# KiCad board xiao-rp2040-uno.kicad_pcb
date: mar. 31 mars 2015
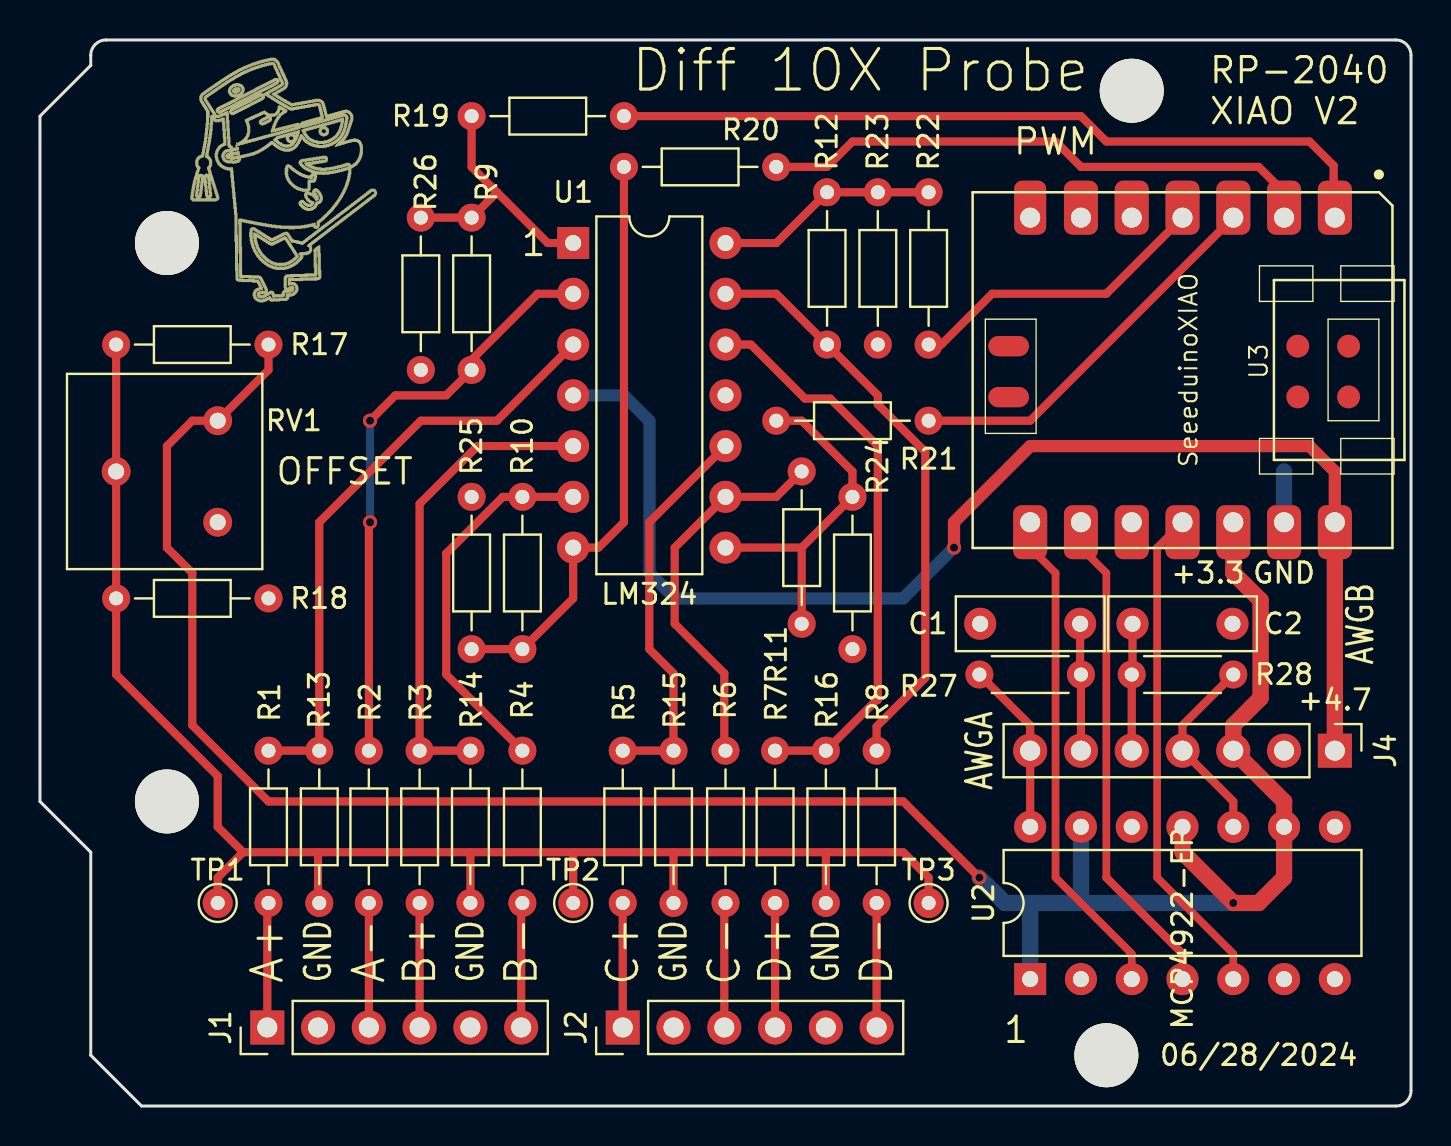
[diagram p0: board, top side]
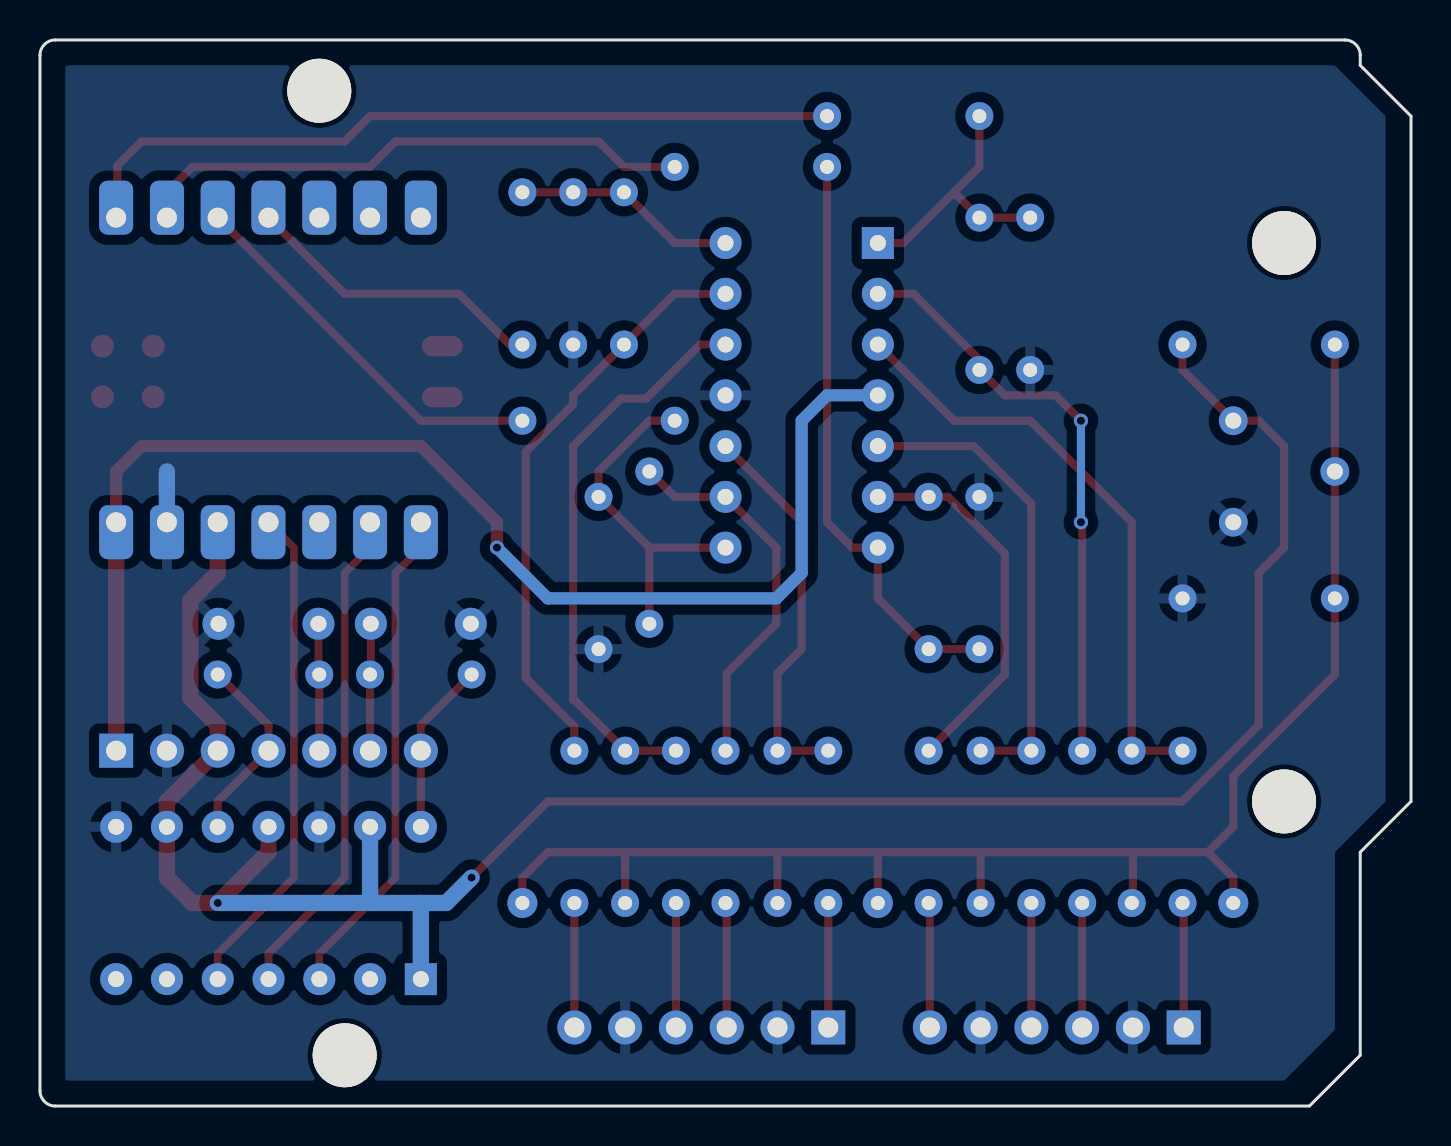
[diagram p1: board, bottom side, seen from below]

Outline 68.58 x 53.34 mm; copper layers: Top, Bottom. Coordinates in mm from the lower left corner of the outline.
Outline path: 0,49.53 2.54,52.07 2.54,52.58 arc(2.76,53.12) 3.3,53.34 67.82,53.34 arc(68.36,53.12) 68.58,52.58 68.58,0.76 arc(68.36,0.22) 67.82,0 5.08,0 2.54,2.54 2.54,12.7 0,15.24 0,49.53
Stack: Top 0.035mm / dielectric 1.51mm FR4 er 4.5 / Bottom 0.035mm

## Placement (name value [footprint] x y rotation side)
C1  C  [C_Rect_L7.2mm_W2.5mm_P5.00mm_FKS2_FKP2_MKS2_MKP2]  52.03 24.13 180 top
C2  C  [C_Rect_L7.2mm_W2.5mm_P5.00mm_FKS2_FKP2_MKS2_MKP2]  54.65 24.13 0 top
J1  Conn_01x06_Pin  [PinHeader_1x06_P2.54mm_Vertical]  11.37 3.93 90 top
J2  Conn_01x06_Pin  [PinHeader_1x06_P2.54mm_Vertical]  29.15 3.93 90 top
J4  Conn_01x07_Pin  [PinHeader_1x07_P2.54mm_Vertical]  64.77 17.78 270 top
MH1  -  [MountingHole_3.2mm]  53.34 2.54 180 top
MH2  -  [MountingHole_3.2mm]  54.61 50.8 180 top
MH3  -  [MountingHole_3.2mm]  6.35 15.24 180 top
MH4  -  [MountingHole_3.2mm]  6.35 43.18 180 top
NOREF  -  [Proffessor]  11.93 38.22 0 top
R1  1Meg  [R_Axial_DIN0204_L3.6mm_D1.6mm_P7.62mm_Horizontal]  11.43 17.78 270 top
R2  1Meg  [R_Axial_DIN0204_L3.6mm_D1.6mm_P7.62mm_Horizontal]  16.45 17.78 270 top
R3  1Meg  [R_Axial_DIN0204_L3.6mm_D1.6mm_P7.62mm_Horizontal]  18.99 17.78 270 top
R4  1Meg  [R_Axial_DIN0204_L3.6mm_D1.6mm_P7.62mm_Horizontal]  24.13 17.78 270 top
R5  1Meg  [R_Axial_DIN0204_L3.6mm_D1.6mm_P7.62mm_Horizontal]  29.15 17.78 270 top
R6  1Meg  [R_Axial_DIN0204_L3.6mm_D1.6mm_P7.62mm_Horizontal]  34.29 17.78 270 top
R7  1Meg  [R_Axial_DIN0204_L3.6mm_D1.6mm_P7.62mm_Horizontal]  36.77 17.78 270 top
R8  1Meg  [R_Axial_DIN0204_L3.6mm_D1.6mm_P7.62mm_Horizontal]  41.85 17.78 270 top
R9  100k  [R_Axial_DIN0204_L3.6mm_D1.6mm_P7.62mm_Horizontal]  21.59 44.45 270 top
R10  100k  [R_Axial_DIN0204_L3.6mm_D1.6mm_P7.62mm_Horizontal]  24.13 22.86 90 top
R11  100k  [R_Axial_DIN0204_L3.6mm_D1.6mm_P7.62mm_Horizontal]  38.1 24.13 90 top
R12  100k  [R_Axial_DIN0204_L3.6mm_D1.6mm_P7.62mm_Horizontal]  39.37 45.72 270 top
R13  100k  [R_Axial_DIN0204_L3.6mm_D1.6mm_P7.62mm_Horizontal]  13.97 10.16 90 top
R14  100k  [R_Axial_DIN0204_L3.6mm_D1.6mm_P7.62mm_Horizontal]  21.53 10.16 90 top
R15  100k  [R_Axial_DIN0204_L3.6mm_D1.6mm_P7.62mm_Horizontal]  31.69 10.16 90 top
R16  100k  [R_Axial_DIN0204_L3.6mm_D1.6mm_P7.62mm_Horizontal]  39.31 10.16 90 top
R17  100  [R_Axial_DIN0204_L3.6mm_D1.6mm_P7.62mm_Horizontal]  11.43 38.1 180 top
R18  100  [R_Axial_DIN0204_L3.6mm_D1.6mm_P7.62mm_Horizontal]  3.81 25.4 0 top
R19  220  [R_Axial_DIN0204_L3.6mm_D1.6mm_P7.62mm_Horizontal]  29.21 49.53 180 top
R20  220  [R_Axial_DIN0204_L3.6mm_D1.6mm_P7.62mm_Horizontal]  36.83 46.99 180 top
R21  220  [R_Axial_DIN0204_L3.6mm_D1.6mm_P7.62mm_Horizontal]  44.45 34.29 180 top
R22  220  [R_Axial_DIN0204_L3.6mm_D1.6mm_P7.62mm_Horizontal]  44.45 38.1 90 top
R23  510  [R_Axial_DIN0204_L3.6mm_D1.6mm_P7.62mm_Horizontal]  41.91 45.72 270 top
R24  510  [R_Axial_DIN0204_L3.6mm_D1.6mm_P7.62mm_Horizontal]  40.64 30.48 270 top
R25  510  [R_Axial_DIN0204_L3.6mm_D1.6mm_P7.62mm_Horizontal]  21.59 22.86 90 top
R26  510  [R_Axial_DIN0204_L3.6mm_D1.6mm_P7.62mm_Horizontal]  19.05 44.45 270 top
R27  1k  [R_Axial_DIN0204_L3.6mm_D1.6mm_P5.08mm_Horizontal]  52.07 21.59 180 top
R28  1k  [R_Axial_DIN0204_L3.6mm_D1.6mm_P5.08mm_Horizontal]  54.61 21.59 0 top
RV1  500  [Potentiometer_Bourns_3386F_Vertical]  8.89 34.29 180 top
TP1  TestPoint  [TestPoint_THTPad_D1.5mm_Drill0.7mm]  8.89 10.16 0 top
TP2  TestPoint  [TestPoint_THTPad_D1.5mm_Drill0.7mm]  26.67 10.16 0 top
TP3  TestPoint  [TestPoint_THTPad_D1.5mm_Drill0.7mm]  44.45 10.16 0 top
U1  LM324  [DIP-14_W7.62mm]  26.67 43.18 0 top
U2  MCP4922-EP  [DIP-14_W7.62mm]  49.53 6.35 90 top
U3  SeeeduinoXIAO  [XIAO-MOUDLE14P-SMD-TH]  46.65 45.72 270 top

## Library data of the parts
C1 C2 = -: Description: Unpolarized capacitor
J1 J2 = -: Description: Generic connector, single row, 01x06, script generated
J4 = -: Description: Generic connector, single row, 01x07, script generated
R1-R28 = -: Description: Resistor, US symbol
RV1 = -: Description: Potentiometer, US symbol
TP1-TP3 = -: Description: test point
U1 = -: Description: Low-Power, Quad-Operational Amplifiers, DIP-14/SOIC-14/SSOP-14
U2 = -: Description: Dual 12-bit Digital to Analog Converter, SPI Interface, PDIP-14

## Footprints (pads in the part's own frame, mm; a bottom-side part is the same pattern mirrored in y, then rotated)
C_Rect_L7.2mm_W2.5mm_P5.00mm_FKS2_FKP2_MKS2_MKP2
  round 1.6 hole 0.8: 1(0,0) 2(5,0)
DIP-14_W7.62mm
  rect 1.6x1.6 hole 0.8: 1(0,0)
  oval 1.6x1.6 hole 0.8: 2(0,-2.54) 3(0,-5.08) 4(0,-7.62) 5(0,-10.16) 6(0,-12.7) 7(0,-15.24) 8(7.62,-15.24) 9(7.62,-12.7) 10(7.62,-10.16) 11(7.62,-7.62) 12(7.62,-5.08) 13(7.62,-2.54) 14(7.62,0)
MountingHole_3.2mm
  round 3.2 hole 3.2 unplated: (0,0)
PinHeader_1x06_P2.54mm_Vertical
  rect 1.7x1.7 hole 1: 1(0,0)
  oval 1.7x1.7 hole 1: 2(0,-2.54) 3(0,-5.08) 4(0,-7.62) 5(0,-10.16) 6(0,-12.7)
PinHeader_1x07_P2.54mm_Vertical
  rect 1.7x1.7 hole 1: 1(0,0)
  oval 1.7x1.7 hole 1: 2(0,-2.54) 3(0,-5.08) 4(0,-7.62) 5(0,-10.16) 6(0,-12.7) 7(0,-15.24)
Potentiometer_Bourns_3386F_Vertical
  round 1.44 hole 0.8: 1(0,0) 2(5.08,2.54) 3(0,5.08)
R_Axial_DIN0204_L3.6mm_D1.6mm_P5.08mm_Horizontal
  round 1.4 hole 0.7: 1(0,0)
  oval 1.4x1.4 hole 0.7: 2(5.08,0)
R_Axial_DIN0204_L3.6mm_D1.6mm_P7.62mm_Horizontal
  round 1.4 hole 0.7: 1(0,0)
  oval 1.4x1.4 hole 0.7: 2(7.62,0)
TestPoint_THTPad_D1.5mm_Drill0.7mm
  round 1.5 hole 0.7: 1(0,0)
XIAO-MOUDLE14P-SMD-TH
  rrect 2.7x1.7 hole 1: 1(1.27,18.118) 2(1.27,15.578) 3(1.27,13.038) 4(1.27,10.498) 5(1.27,7.958) 6(1.27,5.418) 8(16.51,2.878) 9(16.51,5.418) 10(16.51,7.958) 11(16.51,10.498) 12(16.51,13.038) 13(16.51,15.578) 14(16.51,18.118)
  rrect 2.7x1.6 hole 1: 7(1.27,2.878)
  oval 1.016x2.032 smd: 15(7.7,1.8) 16(10.25,1.8)
  round 1.143 smd: 17(7.699,18.804) 18(10.239,18.804) 19(7.699,16.264) 20(10.239,16.264)

## Nets
GND: C1.2 C2.2 J1.2 J1.5 J2.2 J2.5 J4.2 R18.2 R23.2 R24.2 R25.2 R26.2 RV1.3 U1.11 U2.8 U2.12 U3.13
Net-(J1-Pin_1): J1.1 R1.2
Net-(J1-Pin_3): J1.3 R2.2
Net-(J1-Pin_4): J1.4 R3.2
Net-(J1-Pin_6): J1.6 R4.2
Net-(J2-Pin_1): J2.1 R5.2
Net-(J2-Pin_3): J2.3 R6.2
Net-(J2-Pin_4): J2.4 R7.2
Net-(J2-Pin_6): J2.6 R8.2
Net-(J4-Pin_1): J4.1 U1.4 U3.14
Net-(J4-Pin_3): J4.3 R17.1 RV1.1 U2.1 U2.9 U2.11 U2.13 U3.12
Net-(J4-Pin_4): J4.4 R28.2 U2.10
Net-(J4-Pin_5): C2.1 J4.5 R28.1
Net-(J4-Pin_6): C1.1 J4.6 R27.1
Net-(J4-Pin_7): J4.7 R27.2 U2.14
Net-(R10-Pad1): R10.1 R20.2 R25.1 U1.7
Net-(R11-Pad1): R11.1 R21.2 R24.1 U1.8
Net-(R12-Pad1): R12.1 R22.2 R23.1 U1.14
Net-(R13-Pad1): R13.1 R14.1 R15.1 R16.1 R17.2 R18.1 RV1.2 TP1.1 TP2.1 TP3.1
Net-(R19-Pad2): R9.1 R19.2 R26.1 U1.1
Net-(U1A-+): R1.1 R13.2 U1.3
Net-(U1A--): R2.1 R9.2 U1.2
Net-(U1B-+): R3.1 R14.2 U1.5
Net-(U1B--): R4.1 R10.2 U1.6
Net-(U1C-+): R5.1 R15.2 U1.10
Net-(U1C--): R6.1 R11.2 U1.9
Net-(U1D-+): R7.1 R16.2 U1.12
Net-(U1D--): R8.1 R12.2 U1.13
Net-(U2-SCK): U2.4 U3.9
Net-(U2-SDI): U2.5 U3.11
Net-(U2-~{CS}): U2.3 U3.8
Net-(U3-PA02_A0_D0): R19.1 U3.1
Net-(U3-PA4_A1_D1): R20.1 U3.2
Net-(U3-PA10_A2_D2): R21.1 U3.3
Net-(U3-PA11_A3_D3): R22.1 U3.4

Pads without a net: U2 2 6 7; U3 5 6 7 10 15 16 17 18 19 20

## Via types
v1: diameter 0.711, hole 0.406, Top to Bottom, 3 vias
v2: diameter 0.7, hole 0.4, Top to Bottom, 2 vias

## Routing (per net, layer and track width the routed paths; a pad name or vN(x,y) marks a point on that pad's centre or on a via; arc(x,y) is an arc through that point)
GND: length 2.5
  Bottom w0.813: U3.13 62.23,31.75
Net-(J1-Pin_1): length 6.3
  Top w0.406: J1.1 11.37,10.1 R1.2
Net-(J1-Pin_3): length 6.2
  Top w0.406: R2.2 J1.3
Net-(J1-Pin_4): length 6.2
  Top w0.406: R3.2 J1.4
Net-(J1-Pin_6): length 6.3
  Top w0.406: R4.2 24.07,10.1 J1.6
Net-(J2-Pin_1): length 6.2
  Top w0.406: R5.2 J2.1
Net-(J2-Pin_3): length 6.3
  Top w0.406: J2.3 34.23,10.1 R6.2
Net-(J2-Pin_4): length 6.2
  Top w0.406: R7.2 J2.4
Net-(J2-Pin_6): length 6.2
  Top w0.406: R8.2 J2.6
Net-(J4-Pin_1): length 65.2
  Top w0.61: v1(45.72,27.94) 45.72,29.21 49.53,33.02 63.5,33.02 64.77,31.75 U3.14
  Top w0.813: J4.1 U3.14
  Bottom w0.61: v1(45.72,27.94) 43.18,25.4 31.75,25.4 30.48,26.67 30.48,34.29 29.21,35.56 U1.4
Net-(J4-Pin_3): length 113.7
  Top w0.406: v2(46.99,11.43) 43.18,15.24 11.43,15.24 7.62,19.05 7.62,26.67 6.35,27.94 6.35,33.02 7.62,34.29 RV1.1 11.43,36.83 R17.1
  Top w0.813: U3.12 59.69,26.67 61.06,25.3 61.06,20.42 59.69,19.05 J4.3 62.23,15.24 U2.9 62.23,11.43 60.96,10.16 v2(59.69,10.16) 57.15,12.7 U2.11
  Bottom w0.813: 52.07,10.16 v2(59.69,10.16) ; 52.07,10.16 49.53,10.16 ; 52.07,10.16 U2.13 ; U2.1 49.53,10.16 ; 49.53,10.16 48.26,10.16 v2(46.99,11.43)
Net-(J4-Pin_4): length 9.7
  Top w0.406: R28.2 57.15,19.05 J4.4 59.69,15.24 U2.10
Net-(J4-Pin_5): length 6.4
  Top w0.406: C2.1 54.65,21.63 R28.1 J4.5
Net-(J4-Pin_6): length 6.4
  Top w0.406: J4.6 R27.1 52.03,21.63 C1.1
Net-(J4-Pin_7): length 8.7
  Top w0.406: U2.14 J4.7 49.53,19.05 R27.2
Net-(R10-Pad1): length 29.5
  Top w0.406: R20.2 29.21,29.21 27.94,27.94 U1.7 26.67,25.4 R10.1 R25.1
Net-(R11-Pad1): length 17.3
  Top w0.406: U1.8 38.1,27.94 ; 38.1,27.94 R11.1 ; 38.1,27.94 R24.1 40.64,31.75 38.1,34.29 R21.2
Net-(R12-Pad1): length 11.2
  Top w0.406: U1.14 36.83,43.18 R12.1 R22.2
Net-(R13-Pad1): length 79.9
  Top w0.406: 13.91,12.7 21.53,12.7 ; 13.91,12.7 10.16,12.7 ; 13.91,12.7 13.91,10.22 R13.1 ; 21.53,12.7 R14.1 ; 21.53,12.7 26.67,12.7 ; 10.16,12.7 8.89,13.97 8.89,16.51 3.81,21.59 RV1.2 R17.2 ; 10.16,12.7 8.89,11.43 TP1.1 ; 26.67,12.7 31.69,12.7 ; 26.67,12.7 TP2.1 ; R15.1 31.69,12.64 31.75,12.7 39.37,12.7 ; 39.37,12.7 39.31,12.64 R16.1 ; 39.37,12.7 43.18,12.7 44.45,11.43 TP3.1
Net-(R19-Pad2): length 13.5
  Top w0.406: 22.86,45.72 25.4,43.18 U1.1 ; 22.86,45.72 R9.1 R26.1 ; 22.86,45.72 21.59,46.99 R19.2
Net-(U1A-+): length 30.4
  Top w0.406: R1.1 R13.2 13.97,29.21 19.05,34.29 22.86,34.29 U1.3
Net-(U1A--): length 29.6
  Top w0.406: v1(16.51,34.29) 17.78,35.56 20.32,35.56 R9.2 21.59,37.34 24.89,40.64 U1.2 ; R2.1 16.45,29.15 v1(16.51,29.21)
  Bottom w0.406: v1(16.51,29.21) v1(16.51,34.29)
Net-(U1B-+): length 23.8
  Top w0.406: R14.2 R3.1 18.99,30.13 21.88,33.02 U1.5
Net-(U1B--): length 19
  Top w0.406: R4.1 20.32,21.59 20.32,27.65 23.15,30.48 U1.6
Net-(U1C-+): length 19.9
  Top w0.406: U1.10 30.48,29.21 30.48,22.86 31.69,21.65 R15.2 R5.1
Net-(U1C--): length 19.1
  Top w0.406: R11.2 36.83,30.48 U1.9 31.75,27.94 31.75,24.13 34.23,21.65 34.23,17.84 R6.1
Net-(U1D-+): length 28.6
  Top w0.406: R7.1 R16.2 41.85,20.32 41.91,20.32 41.91,33.02 39.54,35.39 38.27,35.39 35.56,38.1 U1.12
Net-(U1D--): length 29.5
  Top w0.406: U1.13 36.83,40.64 41.91,35.56 41.91,35.1 44.28,32.73 44.28,21.42 41.85,18.99 R8.1
Net-(U2-SCK): length 25
  Top w0.381: 53.34,11.43 53.34,26.67 52.07,27.94 U3.9
  Top w0.406: U2.4 57.15,7.62 53.34,11.43
Net-(U2-SDI): length 25
  Top w0.381: U3.11 55.88,27.94 55.88,11.43 59.69,7.62 U2.5
Net-(U2-~{CS}): length 25
  Top w0.381: U3.8 49.53,27.94 50.8,26.67 50.8,11.43 54.61,7.62 U2.3
Net-(U3-PA02_A0_D0): length 37.9
  Top w0.406: R19.1 52.07,49.53 53.34,48.26 63.5,48.26 64.71,47.05 64.71,45.72
Net-(U3-PA4_A1_D1): length 28.2
  Top w0.406: U3.2 62.23,45.72 60.96,46.99 52.07,46.99 50.8,48.26 40.64,48.26 39.37,46.99 R20.1
Net-(U3-PA10_A2_D2): length 20.7
  Top w0.406: 59.69,45.72 U3.3 49.53,34.29 R21.1
Net-(U3-PA11_A3_D3): length 16.6
  Top w0.406: R22.1 45.09,38.1 47.62,40.64 53.34,40.64 U3.4 57.15,45.72

## Copper pours and planes (outline as drawn; the poured copper is in the pictures)
GND on Bottom: 6.35,1.27 3.81,3.81 3.81,12.7 1.27,15.24 1.27,49.53 3.81,52.07 67.31,52.07 67.31,1.27

## Text on the board
F.Silkscreen: +3.3 | 06/28/2024 | GND | +4.7 | AWGA | AWGB | RP-2040 / XIAO V2 | OFFSET | PWM | 1 | A+ | A- | B+ | B- | C+ | C- | D+ | D- | Diff 10X Probe
